# Altium PCB PCB1.PcbDoc (part 2 of 2)
Units mm, origin at the board's own origin, x right, y up, seen from the top; angles counter-clockwise.
Board outline 219.9 x 145 mm, 4 copper layers (Top Layer, AGND, PWR, Bottom Layer), stack 1.747 mm thick; 340 components, 222 nets, 908 pads, 20 vias.
Unrouted connection lines stored in the file: 617.
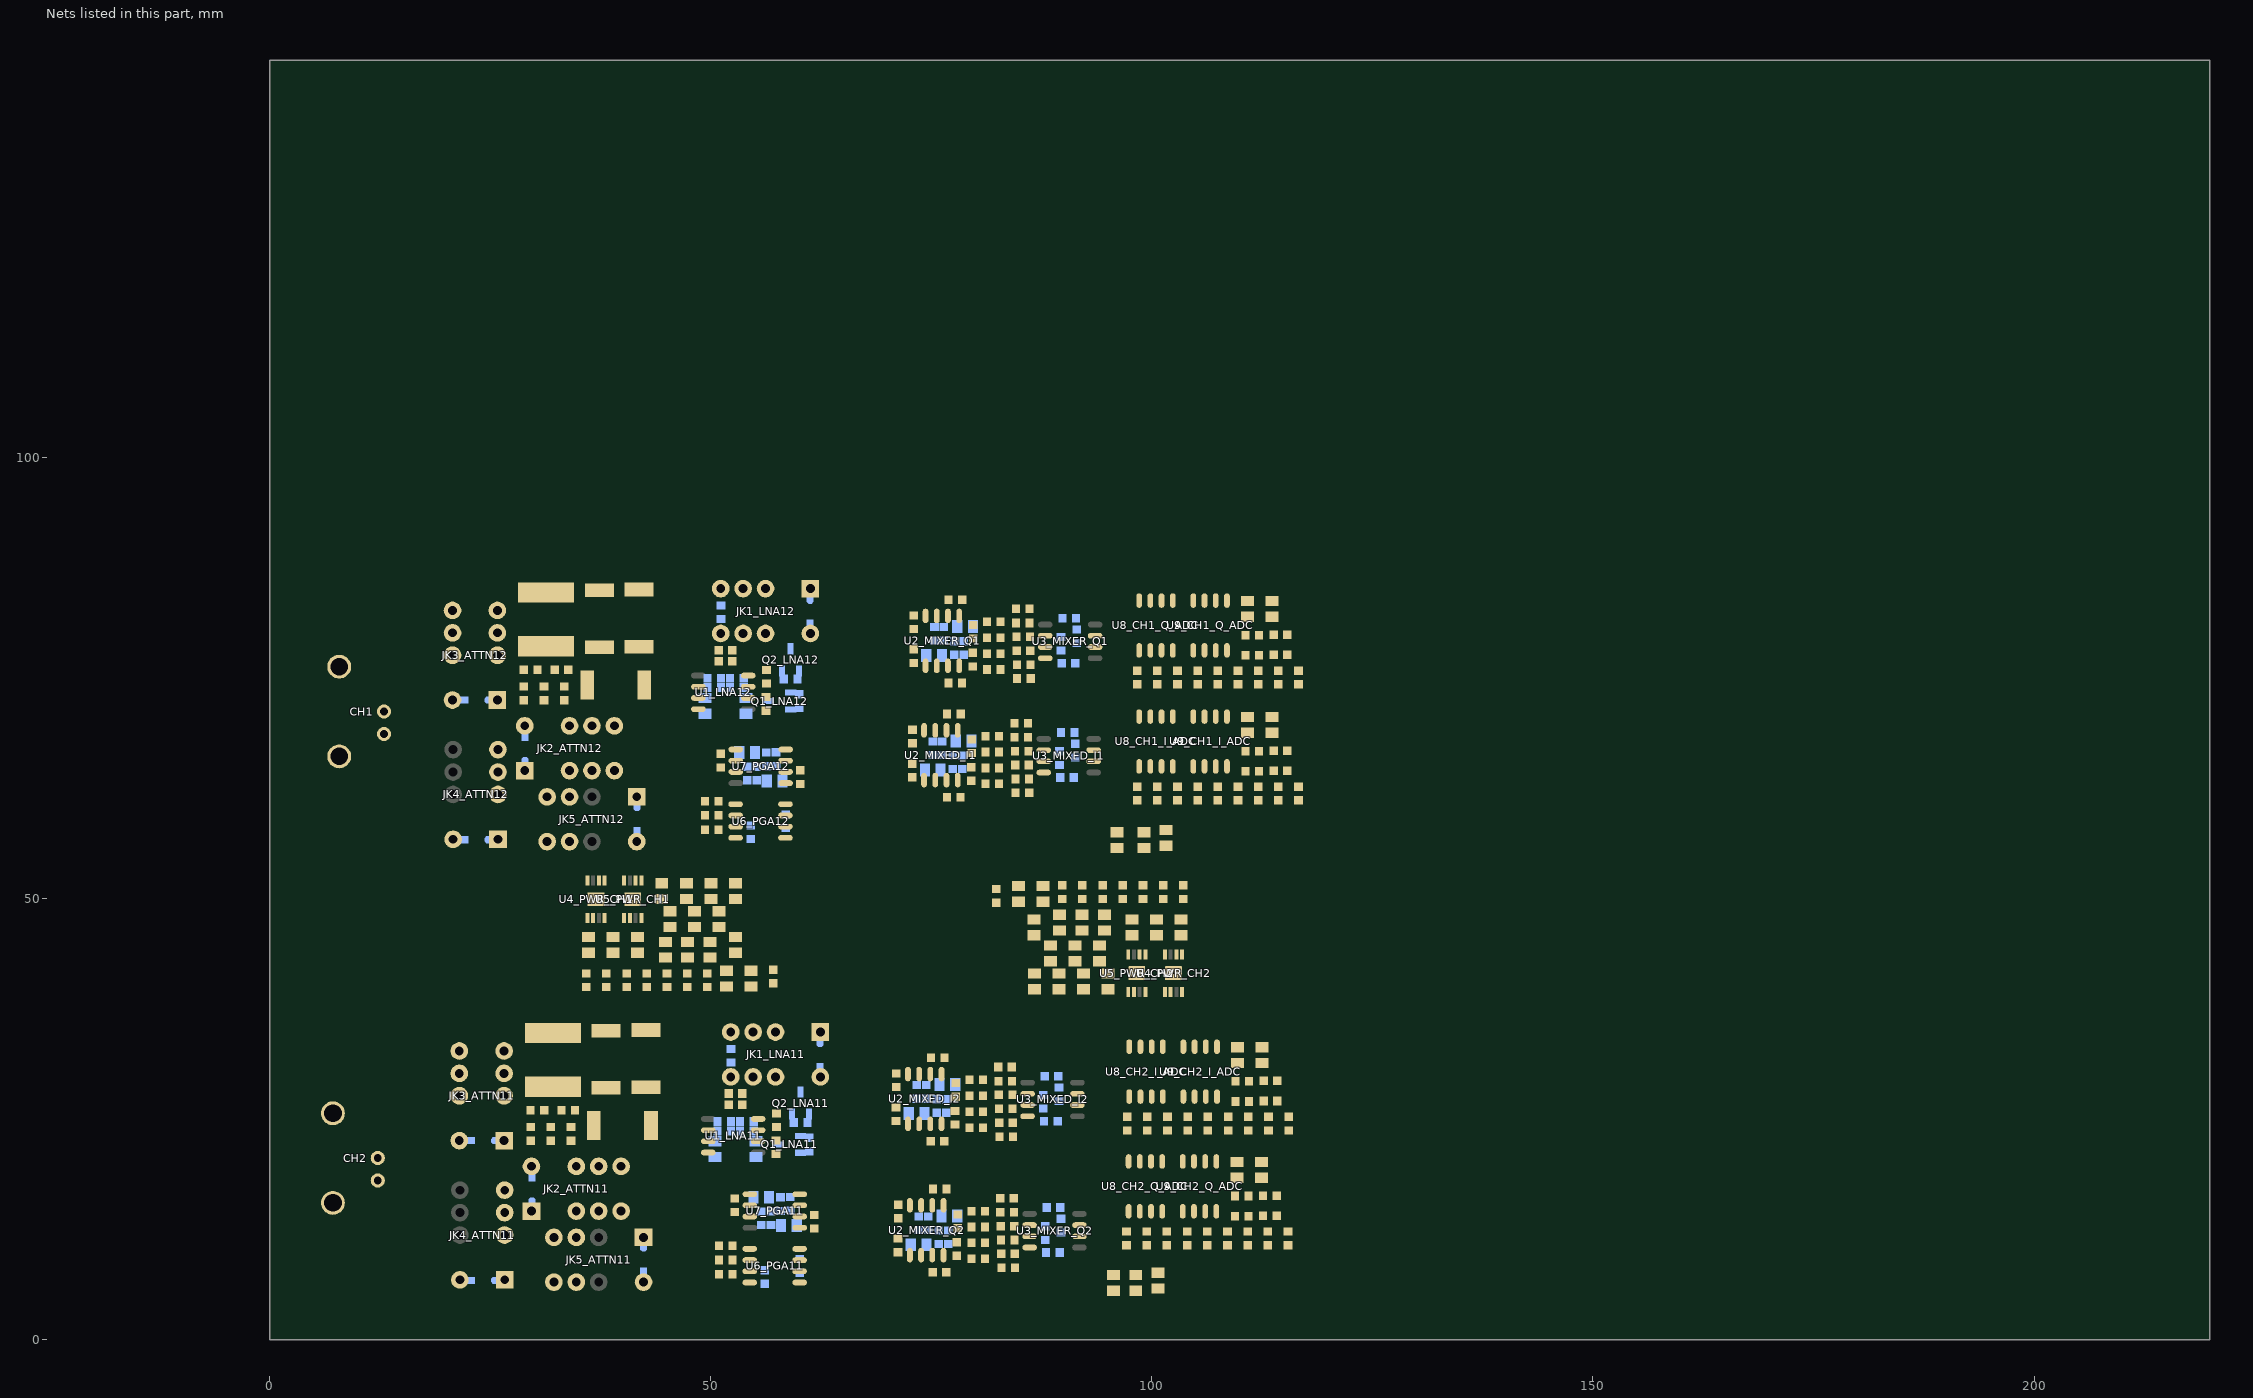
[diagram p4: the nets of this part, all layers, seen from the top]

## Part data
C1_CH1 C1_CH2 C31_CH1 C31_CH2 C32_CH1 C32_CH2: library part "0805 100nF(104) 10% 50V", "贴片电容", Package=0805, SuppliersPartNumber=C49678, ComponentLink1Description=供应商链接, ComponentLink1URL=http://www.szlcsc.com/product/details_50686.html, Supplier=LC
C2_ATTN11 C2_ATTN12: library part CAP, "无极性电容"
C3_CH1_I_ADC C3_CH1_Q_ADC C3_CH2_I_ADC C3_CH2_Q_ADC C4_LNA11 C4_LNA12 C6_LNA11 C6_LNA12 C9_MIXED_I1 C9_MIXED_I2 C9_MIXER_Q1 C9_MIXER_Q2 C11_MIXED_I1 C11_MIXED_I2 C11_MIXER_Q1 C11_MIXER_Q2 C13_PGA11 C13_PGA12 C15_PGA11 C15_PGA12 C26_PWR_CH1 C26_PWR_CH2 C33_PWR_CH1 C33_PWR_CH2 C37_MIXED_I1 C37_MIXED_I2 C37_MIXER_Q1 C37_MIXER_Q2 C38_MIXED_I1 C38_MIXED_I2 C38_MIXER_Q1 C38_MIXER_Q2 C41_MIXED_I1 C41_MIXED_I2 C41_MIXER_Q1 C41_MIXER_Q2 C42_MIXED_I1 C42_MIXED_I2 C42_MIXER_Q1 C42_MIXER_Q2 C43_PGA11 C43_PGA12 C44_PGA11 C44_PGA12 C45_PGA11 C45_PGA12 C46_CH1_I_ADC C46_CH1_Q_ADC C46_CH2_I_ADC C46_CH2_Q_ADC C48_CH1_I_ADC C48_CH1_Q_ADC C48_CH2_I_ADC C48_CH2_Q_ADC: library part "0603 100nF (104) 10% 50V", "贴片电容", Package=0603, SuppliersPartNumber=C14663, ComponentLink1Description=供应商链接, ComponentLink1URL=http://www.szlcsc.com/product/details_15331.html, Supplier=LC
C5_LNA11 C5_LNA12 C7_LNA11 C7_LNA12 C10_MIXED_I1 C10_MIXED_I2 C10_MIXER_Q1 C10_MIXER_Q2 C12_MIXED_I1 C12_MIXED_I2 C12_MIXER_Q1 C12_MIXER_Q2 C14_PGA11 C14_PGA12 C16_PGA11 C16_PGA12 C23_PWR_CH1 C23_PWR_CH2 C36_PWR_CH1 C36_PWR_CH2 C39_MIXED_I1 C39_MIXED_I2 C39_MIXER_Q1 C39_MIXER_Q2 C40_MIXED_I1 C40_MIXED_I2 C40_MIXER_Q1 C40_MIXER_Q2 C47_CH1_I_ADC C47_CH1_Q_ADC C47_CH2_I_ADC C47_CH2_Q_ADC C49_CH1_I_ADC C49_CH1_Q_ADC C49_CH2_I_ADC C49_CH2_Q_ADC: library part "0603 10nF (103) 10% 50V", "贴片电容", Package=0603, SuppliersPartNumber=C57112, ComponentLink1Description=供应商链接, ComponentLink1URL=http://www.szlcsc.com/product/details_58143.html, Supplier=LC
C8_LNA11 C8_LNA12: library part "0603 10pF (100) 5% 50V", "贴片电容", Package=0603, SuppliersPartNumber=C1634, ComponentLink1Description=供应商链接, ComponentLink1URL=http://www.szlcsc.com/product/details_1986.html, Supplier=LC
C19_PWR_CH1 C19_PWR_CH2 C20_PWR_CH1 C20_PWR_CH2 C21_PWR_CH1 C21_PWR_CH2 C22_PWR_CH1 C22_PWR_CH2 C24_PWR_CH1 C24_PWR_CH2 C25_PWR_CH1 C25_PWR_CH2 C27_PWR_CH1 C27_PWR_CH2 C28_PWR_CH1 C28_PWR_CH2 C29_PWR_CH1 C29_PWR_CH2 C30_PWR_CH1 C30_PWR_CH2 C34_PWR_CH1 C34_PWR_CH2 C35_PWR_CH1 C35_PWR_CH2: library part "0805 10uF (106) 10% 25V", "贴片电容", Package=0805, SuppliersPartNumber=C15850, ComponentLink1Description=供应商链接, ComponentLink1URL=http://www.szlcsc.com/product/details_16532.html, Supplier=LC
CH1 CH2: "BNC-KE PIN 6.9mm distance", PartNumber=51K101-400A4, ComponentLink1Description="Manufacturer URL", ComponentLink1URL=http://www.rosenberger.de, ComponentLink2Description=Datasheet, ComponentLink2URL=http://rosenberger.de/ok/images/documents/db/51K101-400A4.pdf, ComponentLink3Description="Package Specification", ComponentLink3URL=http://rosenberger.de/ok/images/documents/db/51K101-400A4.pdf, ComponentLink4Description="URL Link1", ComponentLink4URL="Series Overview / Design Note:http://rosenberger.de/ok/images/documents/spez/51.pdf", ComponentLink5Description="Webshop / RFQ", ComponentLink5URL=http://www.rosenberger.com/en/contact/sales/, DatasheetVersion=c00, Design Note="Footprint in library is a generic example - only application specific footprint delivers High Performance", Mounting Technology="Through Hole", PackageDescription="50R BNC Straight Jack, 12 x 12 x 15 mm", PackageReference=51K101-400A4, PackageVersion=c00
D1_ATTN11 D1_ATTN12 D2_ATTN11 D2_ATTN12 D3_ATTN11 D3_ATTN12 D4_ATTN11 D4_ATTN12 D5_LNA11 D5_LNA12: library part 1N5819, "肖特基二极管", BOM名称=肖特基二极管, 学习资源=www.ooocke.com, 属性=40V/2A, 版权归属=源创客
JK1_LNA11 JK1_LNA12 JK2_ATTN11 JK2_ATTN12 JK3_ATTN11 JK3_ATTN12 JK4_ATTN11 JK4_ATTN12 JK5_ATTN11 JK5_ATTN12: library part HFD3, "超小型两组转换", BOM名称=两组转换继电器, 学习资源=www.ooocke.com, 版权归属=源创客
Q1_LNA11 Q1_LNA12 Q2_LNA11 Q2_LNA12: library part "2N7002 7002", "MOS(场效应管)", Package=SOT-23(SOT-23-3), SuppliersPartNumber=C8545, ComponentLink1Description=供应商链接, ComponentLink1URL=http://www.szlcsc.com/product/details_9040.html, Supplier=LC
R1_LNA11 R1_LNA12 R5_LNA11 R5_LNA12 R33_PWR_CH1 R33_PWR_CH2 R34_PWR_CH1 R34_PWR_CH2 R40_CH1_I_ADC R40_CH1_Q_ADC R40_CH2_I_ADC R40_CH2_Q_ADC R46_CH1_I_ADC R46_CH1_Q_ADC R46_CH2_I_ADC R46_CH2_Q_ADC R48_CH1_I_ADC R48_CH1_Q_ADC R48_CH2_I_ADC R48_CH2_Q_ADC R51_CH1_I_ADC R51_CH1_Q_ADC R51_CH2_I_ADC R51_CH2_Q_ADC: library part "0603 10KΩ (1002) 1%", "贴片电阻", Package=0603, SuppliersPartNumber=C25804, ComponentLink1Description=供应商链接, ComponentLink1URL=http://www.szlcsc.com/product/details_26547.html, Supplier=LC
R2_CH1_I_ADC R2_CH1_Q_ADC R2_CH2_I_ADC R2_CH2_Q_ADC R36_PGA11 R36_PGA12 R37_PGA11 R37_PGA12 R38_PGA11 R38_PGA12 R47_CH1_I_ADC R47_CH1_Q_ADC R47_CH2_I_ADC R47_CH2_Q_ADC R49_CH1_I_ADC R49_CH1_Q_ADC R49_CH2_I_ADC R49_CH2_Q_ADC R50_CH1_I_ADC R50_CH1_Q_ADC R50_CH2_I_ADC R50_CH2_Q_ADC: library part "0603 22Ω (22R0) 1%", "贴片电阻", Package=0603, SuppliersPartNumber=C23345, ComponentLink1Description=供应商链接, ComponentLink1URL=http://www.szlcsc.com/product/details_24078.html, Supplier=LC
R3_LNA11 R3_LNA12 R52_LNA11 R52_LNA12 R53_LNA11 R53_LNA12: library part "0603 100Ω (1000) 1%", "贴片电阻", Package=0603, SuppliersPartNumber=C22775, ComponentLink1Description=供应商链接, ComponentLink1URL=http://www.szlcsc.com/product/details_23502.html, Supplier=LC
R4_LNA11 R4_LNA12: library part "0603 910Ω (9100) 1%", "贴片电阻", Package=0603, SuppliersPartNumber=C23264, ComponentLink1Description=供应商链接, ComponentLink1URL=http://www.szlcsc.com/product/details_23991.html, Supplier=LC
R6_MIXED_I1 R6_MIXED_I2 R6_MIXER_Q1 R6_MIXER_Q2 R7_MIXED_I1 R7_MIXED_I2 R7_MIXER_Q1 R7_MIXER_Q2 R8_MIXED_I1 R8_MIXED_I2 R8_MIXER_Q1 R8_MIXER_Q2 R9_MIXED_I1 R9_MIXED_I2 R9_MIXER_Q1 R9_MIXER_Q2 R10_MIXED_I1 R10_MIXED_I2 R10_MIXER_Q1 R10_MIXER_Q2 R11_MIXED_I1 R11_MIXED_I2 R11_MIXER_Q1 R11_MIXER_Q2 R14_MIXED_I1 R14_MIXED_I2 R14_MIXER_Q1 R14_MIXER_Q2 R17_MIXED_I1 R17_MIXED_I2 R17_MIXER_Q1 R17_MIXER_Q2: library part "0603 49.9Ω (49R9) 1%", "贴片电阻", Package=0603, SuppliersPartNumber=C23185, ComponentLink1Description=供应商链接, ComponentLink1URL=http://www.szlcsc.com/product/details_23912.html, Supplier=LC
R12_MIXED_I1 R12_MIXED_I2 R12_MIXER_Q1 R12_MIXER_Q2 R13_MIXED_I1 R13_MIXED_I2 R13_MIXER_Q1 R13_MIXER_Q2 R15_MIXED_I1 R15_MIXED_I2 R15_MIXER_Q1 R15_MIXER_Q2 R16_MIXED_I1 R16_MIXED_I2 R16_MIXER_Q1 R16_MIXER_Q2: library part "0603 3KΩ (3001) 1%", "贴片电阻", Package=0603, SuppliersPartNumber=C4211, ComponentLink1Description=供应商链接, ComponentLink1URL=http://www.szlcsc.com/product/details_4618.html, Supplier=LC
R32_PWR_CH1 R32_PWR_CH2 R35_PWR_CH1 R35_PWR_CH2: library part "0603 91KΩ (9102) 1%", "贴片电阻", Package=0603, SuppliersPartNumber=C23265, ComponentLink1Description=供应商链接, ComponentLink1URL=http://www.szlcsc.com/product/details_23992.html, Supplier=LC
R39_PGA11 R39_PGA12: library part "0603 0Ω (0R0) 1%", "贴片电阻", Package=0603, SuppliersPartNumber=C21189, ComponentLink1Description=供应商链接, ComponentLink1URL=http://www.szlcsc.com/product/details_21903.html, Supplier=LC
R41_MIXED_I1 R41_MIXED_I2 R41_MIXER_Q1 R41_MIXER_Q2 R42_MIXED_I1 R42_MIXED_I2 R42_MIXER_Q1 R42_MIXER_Q2: library part "0603 200Ω (2000) 1%", "贴片电阻", Package=0603, SuppliersPartNumber=C8218, ComponentLink1Description=供应商链接, ComponentLink1URL=http://www.szlcsc.com/product/details_8708.html, Supplier=LC
R54_ATTN11 R54_ATTN12 R55_ATTN11 R55_ATTN12 R56_ATTN11 R56_ATTN12: library part RES
R57_ATTN11 R57_ATTN12 R59_ATTN11 R59_ATTN12: library part "0603 680KΩ (6803) 1%", "贴片电阻", Package=0603, SuppliersPartNumber=C25822, ComponentLink1Description=供应商链接, ComponentLink1URL=http://www.szlcsc.com/product/details_26565.html, Supplier=LC
R58_ATTN11 R58_ATTN12 R60_ATTN11 R60_ATTN12 R61_ATTN11 R61_ATTN12: library part "0603 220KΩ (2203) 1%", "贴片电阻", Package=0603, SuppliersPartNumber=C22961, ComponentLink1Description=供应商链接, ComponentLink1URL=http://www.szlcsc.com/product/details_23688.html, Supplier=LC
U1_LNA11 U1_LNA12: "Wideband, Ultra-Low Noise, Voltage-Feedback OPERATIONAL AMPLIFIER with Shutdown"
U3_MIXED_I1 U3_MIXED_I2 U3_MIXER_Q1 U3_MIXER_Q2: library part OPA189, "单路、14MHz、多路复用器友好型、低噪声、零漂移、RRO、CMOS 精密运算放大器"
U8_CH1_I_ADC U8_CH1_Q_ADC U8_CH2_I_ADC U8_CH2_Q_ADC: "10MHz RRIO Zero-Drift 5.5V"

## Via types
v1: diameter 0.5, hole 0.2, Top Layer to Bottom Layer, tented both sides, 20 vias

## Nets (pads, with @x,y where several pads share a name; then routed paths per layer and width w, separated by ;. In a path a pad name is that pad's centre, name@x,y a point inside that pad or via, vN(x,y) a via of type N, cw(c..) or ccw(c..) an arc to the next point about the centre after c; other vN are vias at no path point)
+12: D1_ATTN11.2 D1_ATTN12.2 D2_ATTN11.2 D2_ATTN12.2 D3_ATTN11.2 D3_ATTN12.2 D4_ATTN11.2 D4_ATTN12.2 D5_LNA11.2 D5_LNA12.2 JK1_LNA11.1 JK1_LNA12.1 JK2_ATTN11.1 JK2_ATTN12.1 JK3_ATTN11.1 JK3_ATTN12.1 JK4_ATTN11.1 JK4_ATTN12.1 JK5_ATTN11.1 JK5_ATTN12.1
+AVDD_5P5V: FB11_CH1_I_ADC.1 FB11_CH1_Q_ADC.1 FB11_CH2_I_ADC.1 FB11_CH2_Q_ADC.1
+AVEE_5P5V: FB12_CH1_I_ADC.1 FB12_CH1_Q_ADC.1 FB12_CH2_I_ADC.1 FB12_CH2_Q_ADC.1
+DVDD_3P3V: C43_PGA11.2 C43_PGA12.2 U6_PGA11.8 U6_PGA12.8
+VDD_ADC_5P0V: C3_CH1_I_ADC.1 C3_CH1_Q_ADC.1 C3_CH2_I_ADC.1 C3_CH2_Q_ADC.1 U9_CH1_I_ADC.3 U9_CH1_Q_ADC.3 U9_CH2_I_ADC.3 U9_CH2_Q_ADC.3
+VREF_2P5V: C44_PGA11.2 C44_PGA12.2 U6_PGA11.3 U6_PGA12.3 U8_CH1_I_ADC.3 U8_CH1_Q_ADC.3 U8_CH2_I_ADC.3 U8_CH2_Q_ADC.3
AGND: CH1.MH CH2.MH R3_LNA11.1 R3_LNA12.1
AVDD_CH1_I_ADC: C46_CH1_I_ADC.2 C47_CH1_I_ADC.2 FB11_CH1_I_ADC.2 U8_CH1_I_ADC.8
AVDD_CH1_Q_ADC: C46_CH1_Q_ADC.2 C47_CH1_Q_ADC.2 FB11_CH1_Q_ADC.2 U8_CH1_Q_ADC.8
AVDD_CH2_I_ADC: C46_CH2_I_ADC.2 C47_CH2_I_ADC.2 FB11_CH2_I_ADC.2 U8_CH2_I_ADC.8
AVDD_CH2_Q_ADC: C46_CH2_Q_ADC.2 C47_CH2_Q_ADC.2 FB11_CH2_Q_ADC.2 U8_CH2_Q_ADC.8
AVDD_LNA11: C4_LNA11.2 C5_LNA11.2 FB1_LNA11.2 U1_LNA11.7
AVDD_LNA12: C4_LNA12.2 C5_LNA12.2 FB1_LNA12.2 U1_LNA12.7
AVDD_MIXED_I1: C9_MIXED_I1.2 C10_MIXED_I1.2 FB3_MIXED_I1.2 R6_MIXED_I1.1 R9_MIXED_I1.1 R10_MIXED_I1.1 R14_MIXED_I1.1
AVDD_MIXED_I2: C9_MIXED_I2.2 C10_MIXED_I2.2 FB3_MIXED_I2.2 R6_MIXED_I2.1 R9_MIXED_I2.1 R10_MIXED_I2.1 R14_MIXED_I2.1
AVDD_MIXER_Q1: C9_MIXER_Q1.2 C10_MIXER_Q1.2 FB3_MIXER_Q1.2 R6_MIXER_Q1.1 R9_MIXER_Q1.1 R10_MIXER_Q1.1 R14_MIXER_Q1.1
AVDD_MIXER_Q2: C9_MIXER_Q2.2 C10_MIXER_Q2.2 FB3_MIXER_Q2.2 R6_MIXER_Q2.1 R9_MIXER_Q2.1 R10_MIXER_Q2.1 R14_MIXER_Q2.1
AVDD_PGA11: C13_PGA11.2 C14_PGA11.2 FB5_PGA11.2
AVDD_PGA12: C13_PGA12.2 C14_PGA12.2 FB5_PGA12.2
AVEE_CH1_I_ADC: C48_CH1_I_ADC.2 C49_CH1_I_ADC.2 FB12_CH1_I_ADC.2 U8_CH1_I_ADC.4
AVEE_CH1_Q_ADC: C48_CH1_Q_ADC.2 C49_CH1_Q_ADC.2 FB12_CH1_Q_ADC.2 U8_CH1_Q_ADC.4
AVEE_CH2_I_ADC: C48_CH2_I_ADC.2 C49_CH2_I_ADC.2 FB12_CH2_I_ADC.2 U8_CH2_I_ADC.4
AVEE_CH2_Q_ADC: C48_CH2_Q_ADC.2 C49_CH2_Q_ADC.2 FB12_CH2_Q_ADC.2 U8_CH2_Q_ADC.4
AVEE_LNA11: C6_LNA11.2 C7_LNA11.2 FB2_LNA11.2 U1_LNA11.4
AVEE_LNA12: C6_LNA12.2 C7_LNA12.2 FB2_LNA12.2 U1_LNA12.4
AVEE_MIXED_I1: C11_MIXED_I1.2 C12_MIXED_I1.2 FB4_MIXED_I1.2 R7_MIXED_I1.1 R17_MIXED_I1.2
AVEE_MIXED_I2: C11_MIXED_I2.2 C12_MIXED_I2.2 FB4_MIXED_I2.2 R7_MIXED_I2.1 R17_MIXED_I2.2
AVEE_MIXER_Q1: C11_MIXER_Q1.2 C12_MIXER_Q1.2 FB4_MIXER_Q1.2 R7_MIXER_Q1.1 R17_MIXER_Q1.2
AVEE_MIXER_Q2: C11_MIXER_Q2.2 C12_MIXER_Q2.2 FB4_MIXER_Q2.2 R7_MIXER_Q2.1 R17_MIXER_Q2.2
AVEE_PGA11: C15_PGA11.2 C16_PGA11.2 FB6_PGA11.2 U7_PGA11.6
AVEE_PGA12: C15_PGA12.2 C16_PGA12.2 FB6_PGA12.2 U7_PGA12.6
DIS_LNA11: Q2_LNA11.1 R1_LNA11.2
DIS_LNA12: Q2_LNA12.1 R1_LNA12.2
GND: C3_CH1_I_ADC.2 C3_CH1_Q_ADC.2 C3_CH2_I_ADC.2 C3_CH2_Q_ADC.2 C4_LNA11.1 C4_LNA12.1 C5_LNA11.1 C5_LNA12.1 C6_LNA11.1 C6_LNA12.1 C7_LNA11.1 C7_LNA12.1 C9_MIXED_I1.1 C9_MIXED_I2.1 C9_MIXER_Q1.1 C9_MIXER_Q2.1 C10_MIXED_I1.1 C10_MIXED_I2.1 C10_MIXER_Q1.1 C10_MIXER_Q2.1 C11_MIXED_I1.1 C11_MIXED_I2.1 C11_MIXER_Q1.1 C11_MIXER_Q2.1 C12_MIXED_I1.1 C12_MIXED_I2.1 C12_MIXER_Q1.1 C12_MIXER_Q2.1 C13_PGA11.1 C13_PGA12.1 C14_PGA11.1 C14_PGA12.1 C15_PGA11.1 C15_PGA12.1 C16_PGA11.1 C16_PGA12.1 C19_PWR_CH1.1 C19_PWR_CH2.1 C20_PWR_CH1.1 C20_PWR_CH2.1 C21_PWR_CH1.1 C21_PWR_CH2.1 C22_PWR_CH1.1 C22_PWR_CH2.1 C24_PWR_CH1.1 C24_PWR_CH2.1 C25_PWR_CH1.1 C25_PWR_CH2.1 C26_PWR_CH1.1 C26_PWR_CH2.1 C27_PWR_CH1.2 C27_PWR_CH2.2 C28_PWR_CH1.2 C28_PWR_CH2.2 C29_PWR_CH1.2 C29_PWR_CH2.2 C30_PWR_CH1.2 C30_PWR_CH2.2 C33_PWR_CH1.1 C33_PWR_CH2.1 C34_PWR_CH1.1 C34_PWR_CH2.1 C35_PWR_CH1.1 C35_PWR_CH2.1 C37_MIXED_I1.1 C37_MIXED_I2.1 C37_MIXER_Q1.1 C37_MIXER_Q2.1 C38_MIXED_I1.1 C38_MIXED_I2.1 C38_MIXER_Q1.1 C38_MIXER_Q2.1 C41_MIXED_I1.2 C41_MIXED_I2.2 C41_MIXER_Q1.2 C41_MIXER_Q2.2 C42_MIXED_I1.2 C42_MIXED_I2.2 C42_MIXER_Q1.2 C42_MIXER_Q2.2 C43_PGA11.1 C43_PGA12.1 C44_PGA11.1 C44_PGA12.1 C45_PGA11.1 C45_PGA12.1 C46_CH1_I_ADC.1 C46_CH1_Q_ADC.1 C46_CH2_I_ADC.1 C46_CH2_Q_ADC.1 C47_CH1_I_ADC.1 C47_CH1_Q_ADC.1 C47_CH2_I_ADC.1 C47_CH2_Q_ADC.1 C48_CH1_I_ADC.1 C48_CH1_Q_ADC.1 C48_CH2_I_ADC.1 C48_CH2_Q_ADC.1 C49_CH1_I_ADC.1 C49_CH1_Q_ADC.1 C49_CH2_I_ADC.1 C49_CH2_Q_ADC.1 JK3_ATTN11.5 JK3_ATTN12.5 Q1_LNA11.2 Q1_LNA12.2 Q2_LNA11.2 Q2_LNA12.2 R1_LNA11.1 R1_LNA12.1 R5_LNA11.1 R5_LNA12.1 R8_MIXED_I1.1 R8_MIXED_I2.1 R8_MIXER_Q1.1 R8_MIXER_Q2.1 R15_MIXED_I1.1 R15_MIXED_I2.1 R15_MIXER_Q1.1 R15_MIXER_Q2.1 R16_MIXED_I1.1 R16_MIXED_I2.1 R16_MIXER_Q1.1 R16_MIXER_Q2.1 R33_PWR_CH1.1 R33_PWR_CH2.1 R34_PWR_CH1.1 R34_PWR_CH2.1 R41_MIXED_I1.1 R41_MIXED_I2.1 R41_MIXER_Q1.1 R41_MIXER_Q2.1 R42_MIXED_I1.1 R42_MIXED_I2.1 R42_MIXER_Q1.1 R42_MIXER_Q2.1 R46_CH1_I_ADC.1 R46_CH1_Q_ADC.1 R46_CH2_I_ADC.1 R46_CH2_Q_ADC.1 R52_LNA11.1 R52_LNA12.1 R54_ATTN11.1 R54_ATTN12.1 R55_ATTN11.1 R55_ATTN12.1 R56_ATTN11.1 R56_ATTN12.1 R61_ATTN11.1 R61_ATTN12.1 U4_PWR_CH1.4 U4_PWR_CH1.9 U4_PWR_CH2.4 U4_PWR_CH2.9 U5_PWR_CH1.4 U5_PWR_CH1.9 U5_PWR_CH2.4 U5_PWR_CH2.9 U6_PGA11.2 U6_PGA11.7 U6_PGA12.2 U6_PGA12.7 U7_PGA11.2 U7_PGA11.4 U7_PGA12.2 U7_PGA12.4 U9_CH1_I_ADC.7 U9_CH1_Q_ADC.7 U9_CH2_I_ADC.7 U9_CH2_Q_ADC.7
  other v1: 97.701,41.085 98.901,41.085 101.859,41.085 103.059,41.085 98.301,41.535 102.459,41.535 97.701,41.985 98.901,41.985 101.859,41.985 103.059,41.985 36.397,49.465 37.597,49.465 40.555,49.465 41.755,49.465 36.997,49.915 41.155,49.915 36.397,50.365 37.597,50.365 40.555,50.365 41.755,50.365
NetC1_CH1_1: C1_CH1.1 JK1_LNA11.6
NetC1_CH1_2: C1_CH1.2 U7_PGA11.3
NetC1_CH2_1: C1_CH2.1 JK1_LNA12.6
NetC1_CH2_2: C1_CH2.2 U7_PGA12.3
NetC2_ATTN11_1: C2_ATTN11.1 CH1.1 JK5_ATTN11.3 JK5_ATTN11.6
NetC2_ATTN11_2: C2_ATTN11.2 JK2_ATTN11.2 R57_ATTN11.2
NetC2_ATTN12_1: C2_ATTN12.1 CH2.1 JK5_ATTN12.3 JK5_ATTN12.6
NetC2_ATTN12_2: C2_ATTN12.2 JK2_ATTN12.2 R57_ATTN12.2
NetC8_LNA11_1: C8_LNA11.1 R3_LNA11.2 R4_LNA11.1 U1_LNA11.2
NetC8_LNA11_2: C8_LNA11.2 JK1_LNA11.7 R4_LNA11.2 U1_LNA11.6
NetC8_LNA12_1: C8_LNA12.1 R3_LNA12.2 R4_LNA12.1 U1_LNA12.2
NetC8_LNA12_2: C8_LNA12.2 JK1_LNA12.7 R4_LNA12.2 U1_LNA12.6
NetC19_PWR_CH1_2: C19_PWR_CH1.2 FB7_PWR_CH1.2
NetC19_PWR_CH2_2: C19_PWR_CH2.2 FB7_PWR_CH2.2
NetC21_PWR_CH1_2: C21_PWR_CH1.2 C23_PWR_CH1.2 C25_PWR_CH1.2 FB8_PWR_CH1.2 R32_PWR_CH1.2 U4_PWR_CH1.1
NetC21_PWR_CH2_2: C21_PWR_CH2.2 C23_PWR_CH2.2 C25_PWR_CH2.2 FB8_PWR_CH2.2 R32_PWR_CH2.2 U4_PWR_CH2.1
NetC22_PWR_CH1_2: C22_PWR_CH1.2 FB1_LNA11.1 FB3_MIXED_I1.1 FB3_MIXER_Q1.1 FB5_PGA11.1 FB8_PWR_CH1.1
NetC22_PWR_CH2_2: C22_PWR_CH2.2 FB1_LNA12.1 FB3_MIXED_I2.1 FB3_MIXER_Q2.1 FB5_PGA12.1 FB8_PWR_CH2.1
NetC23_PWR_CH1_1: C23_PWR_CH1.1 R32_PWR_CH1.1 R33_PWR_CH1.2 U4_PWR_CH1.2
NetC23_PWR_CH2_1: C23_PWR_CH2.1 R32_PWR_CH2.1 R33_PWR_CH2.2 U4_PWR_CH2.2
NetC26_PWR_CH1_2: C26_PWR_CH1.2 U4_PWR_CH1.6
NetC26_PWR_CH2_2: C26_PWR_CH2.2 U4_PWR_CH2.6
NetC27_PWR_CH1_1: C27_PWR_CH1.1 FB9_PWR_CH1.1
NetC27_PWR_CH2_1: C27_PWR_CH2.1 FB9_PWR_CH2.1
NetC28_PWR_CH1_1: C28_PWR_CH1.1 C34_PWR_CH1.2 FB9_PWR_CH1.2 U5_PWR_CH1.5 U5_PWR_CH1.8
NetC28_PWR_CH2_1: C28_PWR_CH2.1 C34_PWR_CH2.2 FB9_PWR_CH2.2 U5_PWR_CH2.5 U5_PWR_CH2.8
NetC29_PWR_CH1_1: C29_PWR_CH1.1 C35_PWR_CH1.2 C36_PWR_CH1.2 FB10_PWR_CH1.2 R35_PWR_CH1.2 U5_PWR_CH1.1
NetC29_PWR_CH2_1: C29_PWR_CH2.1 C35_PWR_CH2.2 C36_PWR_CH2.2 FB10_PWR_CH2.2 R35_PWR_CH2.2 U5_PWR_CH2.1
NetC30_PWR_CH1_1: C30_PWR_CH1.1 FB2_LNA11.1 FB4_MIXED_I1.1 FB4_MIXER_Q1.1 FB6_PGA11.1 FB10_PWR_CH1.1
NetC30_PWR_CH2_1: C30_PWR_CH2.1 FB2_LNA12.1 FB4_MIXED_I2.1 FB4_MIXER_Q2.1 FB6_PGA12.1 FB10_PWR_CH2.1
NetC31_CH1_1: C31_CH1.1 C32_CH1.1 R39_PGA11.2 U7_PGA11.7
NetC31_CH1_2: C31_CH1.2 U2_MIXED_I1.7
NetC31_CH2_1: C31_CH2.1 C32_CH2.1 R39_PGA12.2 U7_PGA12.7
NetC31_CH2_2: C31_CH2.2 U2_MIXED_I2.7
NetC32_CH1_2: C32_CH1.2 U2_MIXER_Q1.7
NetC32_CH2_2: C32_CH2.2 U2_MIXER_Q2.7
NetC33_PWR_CH1_2: C33_PWR_CH1.2 U5_PWR_CH1.6
NetC33_PWR_CH2_2: C33_PWR_CH2.2 U5_PWR_CH2.6
NetC36_PWR_CH1_1: C36_PWR_CH1.1 R34_PWR_CH1.2 R35_PWR_CH1.1 U5_PWR_CH1.2
NetC36_PWR_CH2_1: C36_PWR_CH2.1 R34_PWR_CH2.2 R35_PWR_CH2.1 U5_PWR_CH2.2
NetC37_MIXED_I1_2: C37_MIXED_I1.2 R6_MIXED_I1.2 U2_MIXED_I1.6
NetC37_MIXED_I2_2: C37_MIXED_I2.2 R6_MIXED_I2.2 U2_MIXED_I2.6
NetC37_MIXER_Q1_2: C37_MIXER_Q1.2 R6_MIXER_Q1.2 U2_MIXER_Q1.6
NetC37_MIXER_Q2_2: C37_MIXER_Q2.2 R6_MIXER_Q2.2 U2_MIXER_Q2.6
NetC38_MIXED_I1_2: C38_MIXED_I1.2 R7_MIXED_I1.2 U2_MIXED_I1.3
NetC38_MIXED_I2_2: C38_MIXED_I2.2 R7_MIXED_I2.2 U2_MIXED_I2.3
NetC38_MIXER_Q1_2: C38_MIXER_Q1.2 R7_MIXER_Q1.2 U2_MIXER_Q1.3
NetC38_MIXER_Q2_2: C38_MIXER_Q2.2 R7_MIXER_Q2.2 U2_MIXER_Q2.3
NetC39_MIXED_I1_1: C39_MIXED_I1.1 R12_MIXED_I1.1 R15_MIXED_I1.2 U3_MIXED_I1.3
NetC39_MIXED_I1_2: C39_MIXED_I1.2 R8_MIXED_I1.2 R9_MIXED_I1.2 R12_MIXED_I1.2 U2_MIXED_I1.5
NetC39_MIXED_I2_1: C39_MIXED_I2.1 R12_MIXED_I2.1 R15_MIXED_I2.2 U3_MIXED_I2.3
NetC39_MIXED_I2_2: C39_MIXED_I2.2 R8_MIXED_I2.2 R9_MIXED_I2.2 R12_MIXED_I2.2 U2_MIXED_I2.5
NetC39_MIXER_Q1_1: C39_MIXER_Q1.1 R12_MIXER_Q1.1 R15_MIXER_Q1.2 U3_MIXER_Q1.3
NetC39_MIXER_Q1_2: C39_MIXER_Q1.2 R8_MIXER_Q1.2 R9_MIXER_Q1.2 R12_MIXER_Q1.2 U2_MIXER_Q1.5
NetC39_MIXER_Q2_1: C39_MIXER_Q2.1 R12_MIXER_Q2.1 R15_MIXER_Q2.2 U3_MIXER_Q2.3
NetC39_MIXER_Q2_2: C39_MIXER_Q2.2 R8_MIXER_Q2.2 R9_MIXER_Q2.2 R12_MIXER_Q2.2 U2_MIXER_Q2.5
NetC40_MIXED_I1_1: C40_MIXED_I1.1 R13_MIXED_I1.1 R16_MIXED_I1.2 U3_MIXED_I1.2
NetC40_MIXED_I1_2: C40_MIXED_I1.2 R10_MIXED_I1.2 R11_MIXED_I1.2 R13_MIXED_I1.2 U2_MIXED_I1.4
NetC40_MIXED_I2_1: C40_MIXED_I2.1 R13_MIXED_I2.1 R16_MIXED_I2.2 U3_MIXED_I2.2
NetC40_MIXED_I2_2: C40_MIXED_I2.2 R10_MIXED_I2.2 R11_MIXED_I2.2 R13_MIXED_I2.2 U2_MIXED_I2.4
NetC40_MIXER_Q1_1: C40_MIXER_Q1.1 R13_MIXER_Q1.1 R16_MIXER_Q1.2 U3_MIXER_Q1.2
NetC40_MIXER_Q1_2: C40_MIXER_Q1.2 R10_MIXER_Q1.2 R11_MIXER_Q1.2 R13_MIXER_Q1.2 U2_MIXER_Q1.4
NetC40_MIXER_Q2_1: C40_MIXER_Q2.1 R13_MIXER_Q2.1 R16_MIXER_Q2.2 U3_MIXER_Q2.2
NetC40_MIXER_Q2_2: C40_MIXER_Q2.2 R10_MIXER_Q2.2 R11_MIXER_Q2.2 R13_MIXER_Q2.2 U2_MIXER_Q2.4
NetC41_MIXED_I1_1: C41_MIXED_I1.1 R14_MIXED_I1.2 U3_MIXED_I1.7
NetC41_MIXED_I2_1: C41_MIXED_I2.1 R14_MIXED_I2.2 U3_MIXED_I2.7
NetC41_MIXER_Q1_1: C41_MIXER_Q1.1 R14_MIXER_Q1.2 U3_MIXER_Q1.7
NetC41_MIXER_Q2_1: C41_MIXER_Q2.1 R14_MIXER_Q2.2 U3_MIXER_Q2.7
NetC42_MIXED_I1_1: C42_MIXED_I1.1 R17_MIXED_I1.1 U3_MIXED_I1.4
NetC42_MIXED_I2_1: C42_MIXED_I2.1 R17_MIXED_I2.1 U3_MIXED_I2.4
NetC42_MIXER_Q1_1: C42_MIXER_Q1.1 R17_MIXER_Q1.1 U3_MIXER_Q1.4
NetC42_MIXER_Q2_1: C42_MIXER_Q2.1 R17_MIXER_Q2.1 U3_MIXER_Q2.4
NetC45_PGA11_2: C45_PGA11.2 U6_PGA11.1 U7_PGA11.1
NetC45_PGA12_2: C45_PGA12.2 U6_PGA12.1 U7_PGA12.1
NetD1_ATTN11_1: D1_ATTN11.1 JK2_ATTN11.8
NetD1_ATTN12_1: D1_ATTN12.1 JK2_ATTN12.8
NetD2_ATTN11_1: D2_ATTN11.1 JK3_ATTN11.8
NetD2_ATTN12_1: D2_ATTN12.1 JK3_ATTN12.8
NetD3_ATTN11_1: D3_ATTN11.1 JK4_ATTN11.8
NetD3_ATTN12_1: D3_ATTN12.1 JK4_ATTN12.8
NetD4_ATTN11_1: D4_ATTN11.1 JK5_ATTN11.8
NetD4_ATTN12_1: D4_ATTN12.1 JK5_ATTN12.8
NetD5_LNA11_1: D5_LNA11.1 JK1_LNA11.8 Q2_LNA11.3
NetD5_LNA12_1: D5_LNA12.1 JK1_LNA12.8 Q2_LNA12.3
NetJK1_LNA11_2: JK1_LNA11.2 R52_LNA11.2 U1_LNA11.3
NetJK1_LNA11_3: JK1_LNA11.3 JK4_ATTN11.3
NetJK1_LNA11_4: JK1_LNA11.4 R53_LNA11.2
NetJK1_LNA11_5: JK1_LNA11.5 R53_LNA11.1
NetJK1_LNA12_2: JK1_LNA12.2 R52_LNA12.2 U1_LNA12.3
NetJK1_LNA12_3: JK1_LNA12.3 JK4_ATTN12.3
NetJK1_LNA12_4: JK1_LNA12.4 R53_LNA12.2
NetJK1_LNA12_5: JK1_LNA12.5 R53_LNA12.1
NetJK2_ATTN11_3: JK2_ATTN11.3 JK3_ATTN11.2
NetJK2_ATTN11_4: JK2_ATTN11.4 R57_ATTN11.1 R58_ATTN11.2
NetJK2_ATTN11_5: JK2_ATTN11.5 R59_ATTN11.1 R60_ATTN11.2
NetJK2_ATTN11_6: JK2_ATTN11.6 JK3_ATTN11.4
NetJK2_ATTN11_7: JK2_ATTN11.7 R58_ATTN11.1 R59_ATTN11.2
NetJK2_ATTN12_3: JK2_ATTN12.3 JK3_ATTN12.2
NetJK2_ATTN12_4: JK2_ATTN12.4 R57_ATTN12.1 R58_ATTN12.2
NetJK2_ATTN12_5: JK2_ATTN12.5 R59_ATTN12.1 R60_ATTN12.2
NetJK2_ATTN12_6: JK2_ATTN12.6 JK3_ATTN12.4
NetJK2_ATTN12_7: JK2_ATTN12.7 R58_ATTN12.1 R59_ATTN12.2
NetJK3_ATTN11_3: JK3_ATTN11.3 JK4_ATTN11.2
NetJK3_ATTN11_6: JK3_ATTN11.6 JK4_ATTN11.4
NetJK3_ATTN11_7: JK3_ATTN11.7 R60_ATTN11.1 R61_ATTN11.2
NetJK3_ATTN12_3: JK3_ATTN12.3 JK4_ATTN12.2
NetJK3_ATTN12_6: JK3_ATTN12.6 JK4_ATTN12.4
NetJK3_ATTN12_7: JK3_ATTN12.7 R60_ATTN12.1 R61_ATTN12.2
NetJK5_ATTN11_4: JK5_ATTN11.4 JK5_ATTN11.5 R54_ATTN11.2 R55_ATTN11.2 R56_ATTN11.2
NetJK5_ATTN12_4: JK5_ATTN12.4 JK5_ATTN12.5 R54_ATTN12.2 R55_ATTN12.2 R56_ATTN12.2
NetQ1_LNA11_1: Q1_LNA11.1 R5_LNA11.2
NetQ1_LNA11_3: Q1_LNA11.3 U1_LNA11.8
NetQ1_LNA12_1: Q1_LNA12.1 R5_LNA12.2
NetQ1_LNA12_3: Q1_LNA12.3 U1_LNA12.8
NetR2_CH1_I_ADC_1: R2_CH1_I_ADC.1 U8_CH1_I_ADC.2
NetR2_CH1_Q_ADC_1: R2_CH1_Q_ADC.1 U8_CH1_Q_ADC.2
NetR2_CH2_I_ADC_1: R2_CH2_I_ADC.1 U8_CH2_I_ADC.2
NetR2_CH2_Q_ADC_1: R2_CH2_Q_ADC.1 U8_CH2_Q_ADC.2
NetR11_MIXED_I1_1: R11_MIXED_I1.1 R48_CH1_I_ADC.1 U3_MIXED_I1.6
NetR11_MIXED_I2_1: R11_MIXED_I2.1 R48_CH2_Q_ADC.1 U3_MIXED_I2.6
NetR11_MIXER_Q1_1: R11_MIXER_Q1.1 R48_CH1_Q_ADC.1 U3_MIXER_Q1.6
NetR11_MIXER_Q2_1: R11_MIXER_Q2.1 R48_CH2_I_ADC.1 U3_MIXER_Q2.6
NetR36_PGA11_1: R36_PGA11.1
NetR36_PGA11_2: R36_PGA11.2 U6_PGA11.4
NetR36_PGA12_1: R36_PGA12.1
NetR36_PGA12_2: R36_PGA12.2 U6_PGA12.4
NetR37_PGA11_1: R37_PGA11.1
NetR37_PGA11_2: R37_PGA11.2 U6_PGA11.6
NetR37_PGA12_1: R37_PGA12.1
NetR37_PGA12_2: R37_PGA12.2 U6_PGA12.6
NetR38_PGA11_1: R38_PGA11.1
NetR38_PGA11_2: R38_PGA11.2 U6_PGA11.5
NetR38_PGA12_1: R38_PGA12.1
NetR38_PGA12_2: R38_PGA12.2 U6_PGA12.5
NetR39_PGA11_1: R39_PGA11.1 U7_PGA11.5
NetR39_PGA12_1: R39_PGA12.1 U7_PGA12.5
NetR40_CH1_I_ADC_1: R40_CH1_I_ADC.1 R46_CH1_I_ADC.2 U8_CH1_I_ADC.6
NetR40_CH1_I_ADC_2: R40_CH1_I_ADC.2 U8_CH1_I_ADC.7 U9_CH1_I_ADC.1
NetR40_CH1_Q_ADC_1: R40_CH1_Q_ADC.1 R46_CH1_Q_ADC.2 U8_CH1_Q_ADC.6
NetR40_CH1_Q_ADC_2: R40_CH1_Q_ADC.2 U8_CH1_Q_ADC.7 U9_CH1_Q_ADC.1
NetR40_CH2_I_ADC_1: R40_CH2_I_ADC.1 R46_CH2_I_ADC.2 U8_CH2_I_ADC.6
NetR40_CH2_I_ADC_2: R40_CH2_I_ADC.2 U8_CH2_I_ADC.7 U9_CH2_I_ADC.1
NetR40_CH2_Q_ADC_1: R40_CH2_Q_ADC.1 R46_CH2_Q_ADC.2 U8_CH2_Q_ADC.6
NetR40_CH2_Q_ADC_2: R40_CH2_Q_ADC.2 U8_CH2_Q_ADC.7 U9_CH2_Q_ADC.1
NetR41_MIXED_I1_2: R41_MIXED_I1.2 U2_MIXED_I1.8
NetR41_MIXED_I2_2: R41_MIXED_I2.2 U2_MIXED_I2.8
NetR41_MIXER_Q1_2: R41_MIXER_Q1.2 U2_MIXER_Q1.8
NetR41_MIXER_Q2_2: R41_MIXER_Q2.2 U2_MIXER_Q2.8
NetR42_MIXED_I1_2: R42_MIXED_I1.2 U2_MIXED_I1.2
NetR42_MIXED_I2_2: R42_MIXED_I2.2 U2_MIXED_I2.2
NetR42_MIXER_Q1_2: R42_MIXER_Q1.2 U2_MIXER_Q1.2
NetR42_MIXER_Q2_2: R42_MIXER_Q2.2 U2_MIXER_Q2.2
NetR47_CH1_I_ADC_1: R47_CH1_I_ADC.1 U9_CH1_I_ADC.4
NetR47_CH1_I_ADC_2: R47_CH1_I_ADC.2
NetR47_CH1_Q_ADC_1: R47_CH1_Q_ADC.1 U9_CH1_Q_ADC.4
NetR47_CH1_Q_ADC_2: R47_CH1_Q_ADC.2
NetR47_CH2_I_ADC_1: R47_CH2_I_ADC.1 U9_CH2_I_ADC.4
NetR47_CH2_I_ADC_2: R47_CH2_I_ADC.2
NetR47_CH2_Q_ADC_1: R47_CH2_Q_ADC.1 U9_CH2_Q_ADC.4
NetR47_CH2_Q_ADC_2: R47_CH2_Q_ADC.2
NetR48_CH1_I_ADC_2: R48_CH1_I_ADC.2 R51_CH1_I_ADC.1 U8_CH1_I_ADC.5
NetR48_CH1_Q_ADC_2: R48_CH1_Q_ADC.2 R51_CH1_Q_ADC.1 U8_CH1_Q_ADC.5
NetR48_CH2_I_ADC_2: R48_CH2_I_ADC.2 R51_CH2_I_ADC.1 U8_CH2_I_ADC.5
NetR48_CH2_Q_ADC_2: R48_CH2_Q_ADC.2 R51_CH2_Q_ADC.1 U8_CH2_Q_ADC.5
NetR49_CH1_I_ADC_1: R49_CH1_I_ADC.1 U9_CH1_I_ADC.6
NetR49_CH1_I_ADC_2: R49_CH1_I_ADC.2
NetR49_CH1_Q_ADC_1: R49_CH1_Q_ADC.1 U9_CH1_Q_ADC.6
NetR49_CH1_Q_ADC_2: R49_CH1_Q_ADC.2
NetR49_CH2_I_ADC_1: R49_CH2_I_ADC.1 U9_CH2_I_ADC.6
NetR49_CH2_I_ADC_2: R49_CH2_I_ADC.2
NetR49_CH2_Q_ADC_1: R49_CH2_Q_ADC.1 U9_CH2_Q_ADC.6
NetR49_CH2_Q_ADC_2: R49_CH2_Q_ADC.2
NetR50_CH1_I_ADC_1: R50_CH1_I_ADC.1 U9_CH1_I_ADC.5
NetR50_CH1_I_ADC_2: R50_CH1_I_ADC.2
NetR50_CH1_Q_ADC_1: R50_CH1_Q_ADC.1 U9_CH1_Q_ADC.5
NetR50_CH1_Q_ADC_2: R50_CH1_Q_ADC.2
NetR50_CH2_I_ADC_1: R50_CH2_I_ADC.1 U9_CH2_I_ADC.5
NetR50_CH2_I_ADC_2: R50_CH2_I_ADC.2
NetR50_CH2_Q_ADC_1: R50_CH2_Q_ADC.1 U9_CH2_Q_ADC.5
NetR50_CH2_Q_ADC_2: R50_CH2_Q_ADC.2
NetU2_MIXED_I1_1: U2_MIXED_I1.1 U2_MIXED_I2.1
NetU2_MIXER_Q1_1: U2_MIXER_Q1.1 U2_MIXER_Q2.1
VDD_13P0V_PWR_CH1: C20_PWR_CH1.2 C24_PWR_CH1.2 FB7_PWR_CH1.1 U4_PWR_CH1.5 U4_PWR_CH1.8
VDD_13P0V_PWR_CH2: C20_PWR_CH2.2 C24_PWR_CH2.2 FB7_PWR_CH2.1 U4_PWR_CH2.5 U4_PWR_CH2.8
VREF_CH1_I_ADC: R2_CH1_I_ADC.2 R51_CH1_I_ADC.2 U8_CH1_I_ADC.1 U9_CH1_I_ADC.2 U9_CH1_I_ADC.8
VREF_CH1_Q_ADC: R2_CH1_Q_ADC.2 R51_CH1_Q_ADC.2 U8_CH1_Q_ADC.1 U9_CH1_Q_ADC.2 U9_CH1_Q_ADC.8
VREF_CH2_I_ADC: R2_CH2_I_ADC.2 R51_CH2_I_ADC.2 U8_CH2_I_ADC.1 U9_CH2_I_ADC.2 U9_CH2_I_ADC.8
VREF_CH2_Q_ADC: R2_CH2_Q_ADC.2 R51_CH2_Q_ADC.2 U8_CH2_Q_ADC.1 U9_CH2_Q_ADC.2 U9_CH2_Q_ADC.8
pads on no net: JK4_ATTN11.5 JK4_ATTN11.6 JK4_ATTN11.7 JK4_ATTN12.5 JK4_ATTN12.6 JK4_ATTN12.7 JK5_ATTN11.2 JK5_ATTN11.7 JK5_ATTN12.2 JK5_ATTN12.7 U1_LNA11.1 U1_LNA11.5 U1_LNA12.1 U1_LNA12.5 U3_MIXED_I1.1 U3_MIXED_I1.5 U3_MIXED_I1.8 U3_MIXED_I2.1 U3_MIXED_I2.5 U3_MIXED_I2.8 U3_MIXER_Q1.1 U3_MIXER_Q1.5 U3_MIXER_Q1.8 U3_MIXER_Q2.1 U3_MIXER_Q2.5 U3_MIXER_Q2.8 U4_PWR_CH1.3 U4_PWR_CH1.7 U4_PWR_CH2.3 U4_PWR_CH2.7 U5_PWR_CH1.3 U5_PWR_CH1.7 U5_PWR_CH2.3 U5_PWR_CH2.7 U7_PGA11.8 U7_PGA12.8

## Polygon pours and split planes (outlines as drawn)
AGND on AGND (split plane): 219.39,0.51 0.51,0.51 0.51,144.49 219.39,144.49
no net on PWR (split plane): 219.39,0.51 0.51,0.51 0.51,144.49 219.39,144.49

## Silkscreen, mask and mechanical layers (free items; w line width, h text height)
Mechanical 1:
  lines w0.254: 67.135,2.51 118.135,2.51 118.135,37.31 67.135,37.31 ; 67.135,2.51 67.135,37.31 ; 67.135,2.51 16.135,2.51 16.135,37.31 67.135,37.31 ; 67.135,2.51 67.135,37.31 ; 67.85,53.125 118.85,53.125 118.85,87.925 67.85,87.925 ; 67.85,53.125 67.85,87.925 ; 67.85,53.125 16.85,53.125 16.85,87.925 67.85,87.925 ; 67.85,53.125 67.85,87.925 ; 68.565,103.74 119.565,103.74 119.565,138.54 68.565,138.54 ; 68.565,103.74 68.565,138.54 ; 68.565,103.74 17.565,103.74 17.565,138.54 68.565,138.54 ; 68.565,103.74 68.565,138.54 ; 0,0 0,145 219.9,145 219.9,0 0,0